# Altium PCB Yun75.PcbDoc (part 2 of 3) (continued)
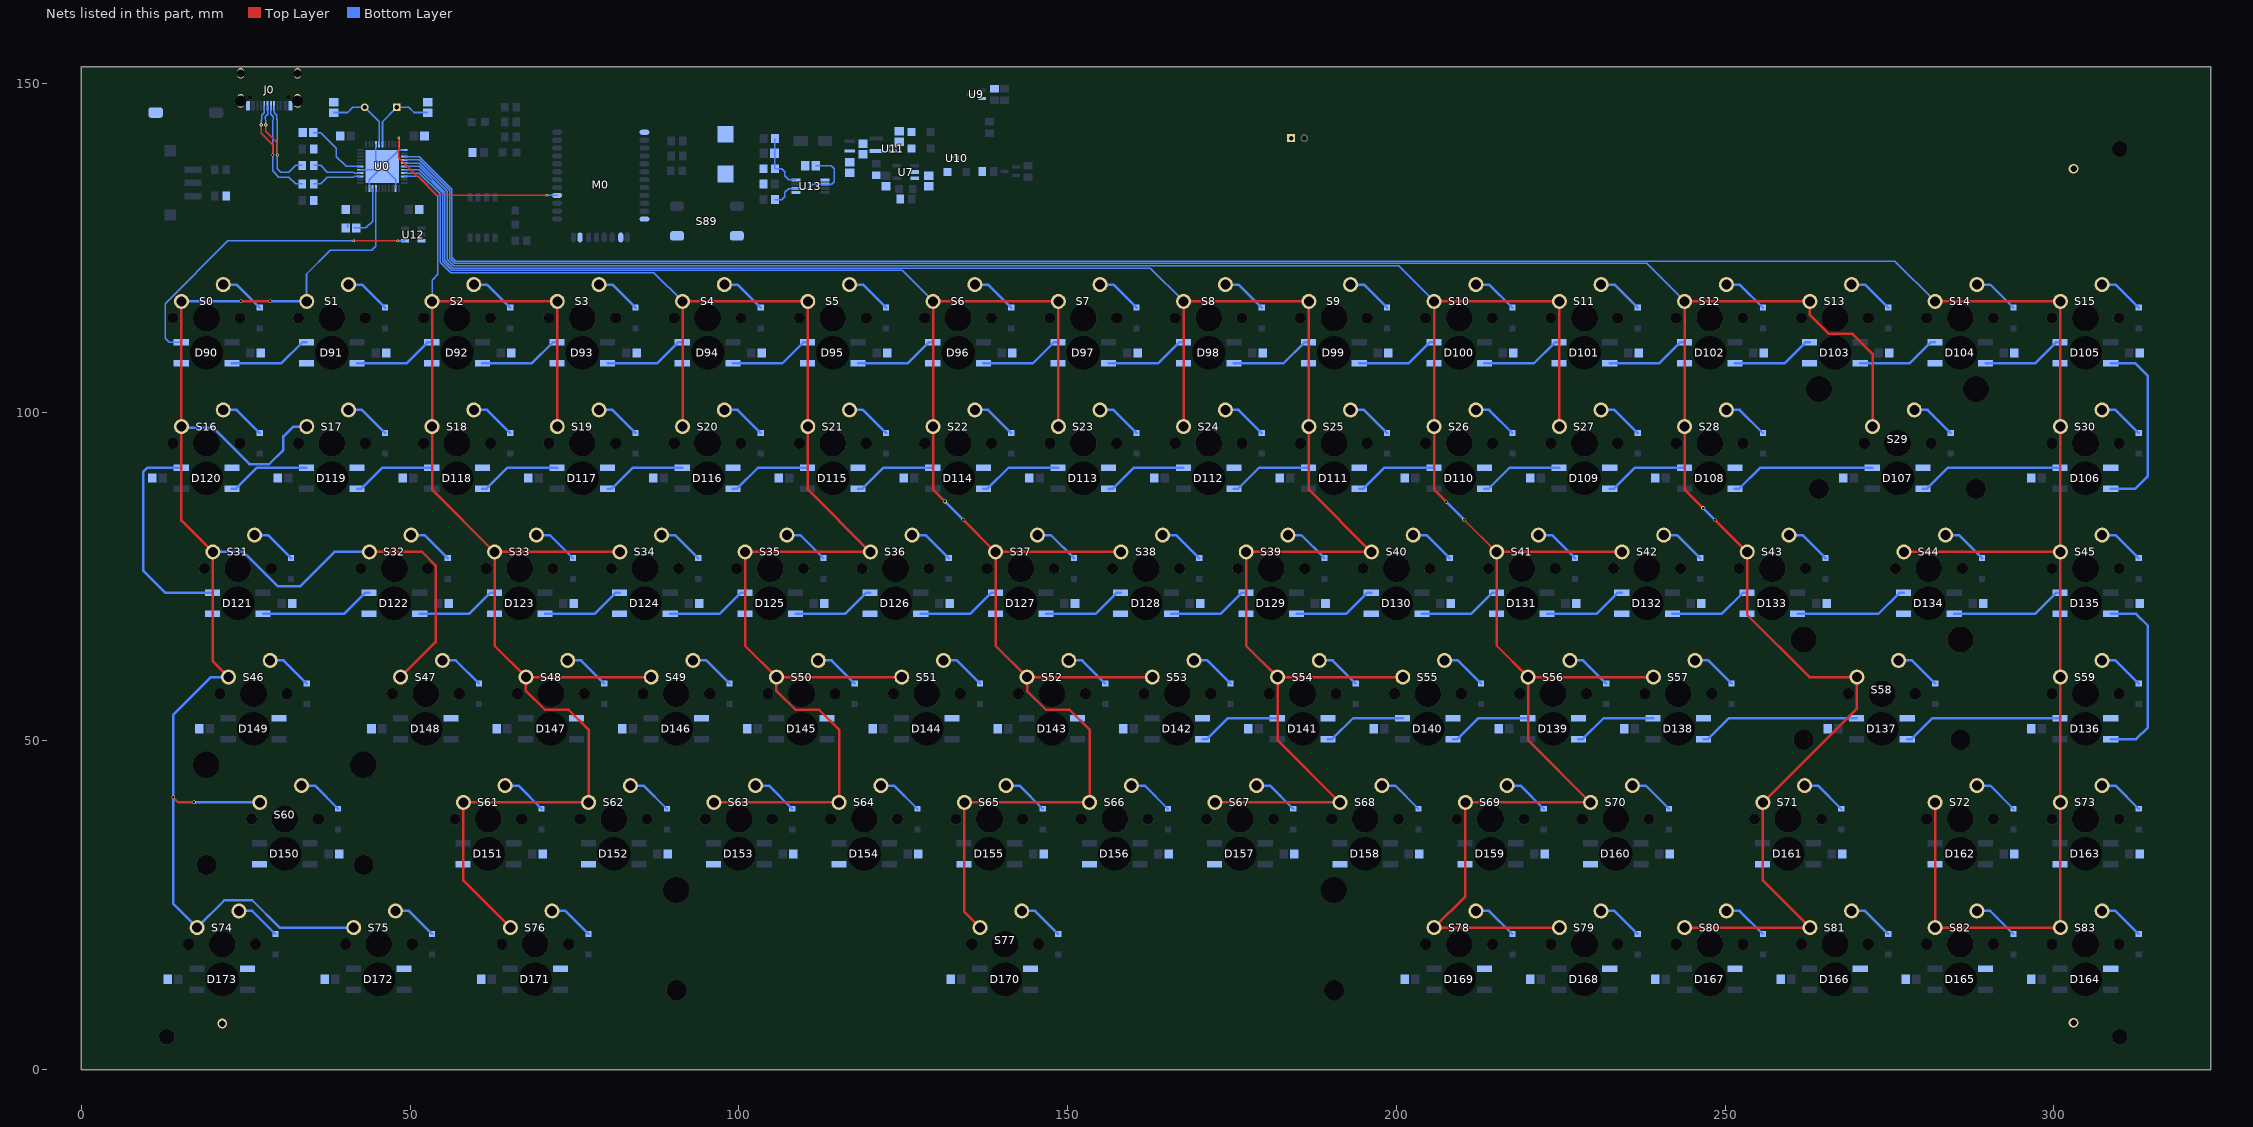
[diagram p2: the nets of this part, all layers, seen from the top]
## Part data (continued)
S0 S1 S2 S3 S4 S5 S6 S7 S8 S9 S10 S11 S12 S13 S14 S15 S16 S17 S18 S19 S20 S21 S22 S23 S24 S25 S26 S27 S28 S29 S30 S31 S32 S33 S34 S35 S36 S37 S38 S39 S40 S41 S42 S43 S44 S45 S46 S47 S48 S49 S50 S51 S52 S53 S54 S55 S56 S57 S58 S59 S60 S61 S62 S63 S64 S65 S66 S67 S68 S69 S70 S71 S72 S73 S74 S75 S76 S77 S78 S79 S80 S81 S82 S83: library part Cherry_Switch, "Cherry SPST Keyswitch"
S84: "SWITCH SLIDE SPDT 0.4VA 28V", Manufacturer="NKK Switches", Operating Force=-, Operating Temperature="-25C ~ 85C", Supplier Part Number 1=360-2924-2-ND, Actuator Type=Standard, Circuit=SPDT, ComponentLink1Description=Datasheet, ComponentLink1URL=http://2t70un3m1d9z1kztamkdrd38.wpengine.netdna-cdn.com/wp-content/uploads/2016/02/SS3surfaceMount.pdf, ComponentLink2Description="Digi-Key Listing", ComponentLink2URL=http://www.digikey.com/product-detail/en/nkk-switches/SS312SAH4-R/360-2924-2-ND/2810472, Mechanical Life="10,000 Cycles", PartId=16471, Part Number=SS312SAH4-R, Price=1.953, Series=SS3, Supplier 1=Digi-Key, Switch Function=On-On, Switch Travel=2.00mm, Type="Slide Switches"
S87: "SWITCH SLIDE DIP SPST 25MA 24V", Digikey Part Number=SW1080-ND, Manufacturer=Omron, Mouser Part Number=653-A6H-4101, Package=SW_SMT_6MM31X4MM5, Part Number=A6H-4101, Temperature="-20°C to + 70°C", Temperature Range High="+ 70°C", Temperature Range Low=-20°C, Voltage=24V, ComponentLink1Description=Upverter, ComponentLink1URL=https://upverter.com/upn/revision/68e2bcf7944de008/, ComponentLink2Description=Datasheet, ComponentLink2URL=http://www.omron.com/ecb/products/pdf/en-a6h.pdf, Digikey Description="SWITCH SLIDE DIP SPST 25MA 24V", helpURL=https://upverter.com/upn/revision/68e2bcf7944de008/, Lead Free=yes, Price=1.9029468224, RoHS=TRUE, Supplier 1=Digi-Key, Supplier 2=Mouser, Supplier Part Number 1=SW1080-ND, Supplier Part Number 2=653-A6H-4101
S88: "SWITCH TACTILE SPST-NO 0.05A 24V", Contact Rating @ Voltage="0.05A @ 24VDC", Illumination Type, Colour=-, Manufacturer="TE Connectivity Alcoswitch Switches", Operating Force=180gf, Operating Temperature="-35C ~ 85C", Supplier Part Number 1=450-1758-2-ND, Actuator Orientation="Top Actuated", Actuator Type=Standard, Circuit=SPST-NO, ComponentLink1Description=Datasheet, ComponentLink1URL=http://www.te.com/commerce/DocumentDelivery/DDEController?Action=srchrtrv&DocNm=1437566-3&DocType=Customer+Drawing&DocLang=English, ComponentLink2Description="Digi-Key Listing", ComponentLink2URL=http://www.digikey.com/product-detail/en/FSMSMTR/450-1758-2-ND/529671, Illumination=Non-Illuminated, Illumination Voltage=-, Mechanical Life="20,000 Cycles", PartId=8251, Part Number=FSMSMTR, Price=0.175, Supplier 1=Digi-Key, Switch Function=Off-Mom, Switch Travel=0.25mm
S89: "SWITCH TACTILE SPST-NO 0.05A 24V", Contact Rating @ Voltage="0.05A @ 24VDC", Illumination Type, Colour=-, Manufacturer="TE Connectivity Alcoswitch Switches", Operating Force=160gf, Operating Temperature="-35C ~ 85C", Supplier Part Number 1=450-1759-2-ND, Actuator Orientation="Top Actuated", Actuator Type=Standard, Circuit=SPST-NO, ComponentLink1Description=Datasheet, ComponentLink1URL=http://www.te.com/commerce/DocumentDelivery/DDEController?Action=srchrtrv&DocNm=2-1437565-7&DocType=Customer+Drawing&DocLang=English, ComponentLink2Description="Digi-Key Listing", ComponentLink2URL=http://www.digikey.com/product-detail/en/FSM4JSMATR/450-1759-2-ND/529675, Illumination=Non-Illuminated, Illumination Voltage=-, Mechanical Life="100,000 Cycles", PartId=8249, Part Number=FSM4JSMATR, Price=0.128, Supplier 1=Digi-Key, Switch Function=Off-Mom, Switch Travel=0.25mm
U0: "ATmega Series 32 KB Flash 2.5 KB SRAM 16 MHz 8-Bit Microcontroller - MLF/QFN-44", Package="QFN-44 Microchip", Availability=Unavailable, MF=Microchip, MP=ATMEGA32U4-MUR, Price=None, SnapEDA_Link=https://www.snapeda.com/parts/ATMEGA32U4-MUR/Microchip/view-part/?ref=snap
U7: "Sot23 Simple Low-Cost Integrated Li-Ion/Li-Poly Charge Mgnt Controller, 4.2v Vre", Package="SOT-23 Microchip", Availability=Unavailable, MF=Microchip, MP=MCP73812T-420I/OT, Price=None, SnapEDA_Link=https://www.snapeda.com/parts/MCP73812T-420I/OT/Microchip/view-part/?ref=snap
U8 U9: "Imported", C="Copyright (C) 2015 Accelerated Designs. All rights reserved", Copyright="Copyright (C) 2016 Accelerated Designs. All rights reserved", Manufacturer_Part_Number=BC847BW, RefDes=RefDes, Type=DEV, Vendor=Nexperia
U10: "Ultra low quiescent current load switch"
U11: "Buck Step Down Regulator with 2.05 to 6 V Input and 3.3 V Output, -40 to 85 degC, 6-Pin SON (DRY), Green (RoHS & no Sb/Br)", Manufacturer="Texas Instruments", Rating=Catalog, Switch Current Limit(Typ)(A)=0.84, ComponentLink1Description=Datasheet, ComponentLink1URL=http://www.ti.com/general/docs/lit/getliterature.tsp?genericPartNumber=TPS62237&fileType=pdf, ComponentLink2Description="Package Specification", ComponentLink2URL=http://www.ti.com/litv/pdf/mpds221e, ComponentLink3Description="URL Link1", ComponentLink3URL="Samples URL:http://www.ti.com/product/tps62237#samples", DatasheetVersion=SLVS941E, Duty Cycle(Max)(%)=100, Eco-Plan="Green (RoHS & no Sb/Br)", Iout(Max)(A)=0.5, Iq(Typ)(mA)=0.022, Mounting Technology="Surface Mount", PackageDescription="6-Pin Plastic Small Outline No-Lead, 1 x 1.45 x 0.6 mm Body, 0.5 mm Pitch", PackageReference=DRY6, PackageVersion="revF, Dec-2011", PartNumber=TPS62237DRYT, Preset Vout(V)=3.3, Regulated Outputs(#)=1, SubFamily="Step-Down Regulator", Synchronous Rectification=TRUE, Topology=Buck, Vin(Max)(V)=6, Vin(Min)(V)=2.05, Vout(Max)(V)=3.3, Vout(Min)(V)=3.3
U12: "Single Power Supply BUFFER Logic Level Shifter _no enable_ 5-SOT-23 -40 to 125", Package="SOT-23 Texas Instruments", Availability=Unavailable, MF="Texas Instruments", MP=SN74LV1T34DBVR, Price=None, SnapEDA_Link=https://www.snapeda.com/parts/SN74LV1T34DBVR/Texas%20Instruments/view-part/?ref=snap
U13: "Conv DC-DC Single Step Up 1.2V to 14V 8-Pin MSOP T/R", Package="MSOP-8 Texas Instruments", MF="Texas Instruments", MP=LM2621MM/NOPB, SnapEDA_Link=https://www.snapeda.com/parts/LM2621MM/NOPB/Texas%2520Instruments/view-part/?ref=snap
Y0: "CRYS 16MHz ±20ppm Crystal 18pF 40 Ohm -20°C ~ 70°C Through Hole HC49/US", Digikey Part Number=535-9041-ND, Frequency=16MHz, Frequency Stability=±50ppm, Frequency Tolerance=±20ppm, Load Capacitance=18pF, Manufacturer=Abracon, Mouser Part Number=815-ABL-16-B2, Operating Mode=Fundamental, Package=HC/49US, Part Number=ABL-16.000MHZ-B2, Temperature="0ºC to +70ºC", Temperature Range High=+70ºC, Temperature Range Low=0ºC, ComponentLink1Description=Upverter, ComponentLink1URL=https://upverter.com/upn/revision/7ebf07e1da2eb130/, ComponentLink2Description=Datasheet, ComponentLink2URL=http://www.abracon.com/Resonators/ABL.pdf, Digikey Description="CRYS 16MHz ±20ppm Crystal 18pF 40 Ohm -20°C ~ 70°C Through Hole HC49/US", ESR="40 Ohm", helpURL=https://upverter.com/upn/revision/7ebf07e1da2eb130/, Lead Free=yes, Price=0.175999999027, RoHS=TRUE, Supplier 1=Digi-Key, Supplier 2=Mouser, Supplier Part Number 1=535-9041-ND, Supplier Part Number 2=815-ABL-16-B2

## Free pads (board coordinates)
  round 2.4 hole 2.4 unplated paste+0 mask+0: Mounting2(310,140) Mounting3(310,5) Mounting4(13,5)

## Via types
v1: diameter 0.45, hole 0.3, Top Layer to Bottom Layer, 30 vias
v2: diameter 0.4, hole 0.25, Top Layer to Bottom Layer, 24 vias
v3: diameter 0.508, hole 0.254, Top Layer to Bottom Layer, 10 vias
v4: diameter 0.559, hole 0.381, Top Layer to Bottom Layer, 10 vias
v5: diameter 0.4, hole 0.275, Top Layer to Bottom Layer, 10 vias
v6: diameter 1.5, hole 1, Top Layer to Bottom Layer, 3 vias

## Nets (pads, with @x,y where several pads share a name; then routed paths per layer and width w, separated by ;. In a path a pad name is that pad's centre, name@x,y a point inside that pad or via, vN(x,y) a via of type N, cw(c..) or ccw(c..) an arc to the next point about the centre after c; other vN are vias at no path point)
Boost_In: C110.2 C111.2 L0.2 L1.2 U11.6
Col0: S0.0 S1.0 S16.0 S17.0 S31.0 S32.0 S46.0 S47.0 S60.0 S74.0 S75.0 U0.41 | length 273.1
  Top Layer w0.381: v4(13.97,41.42) 14.75,40.64 v4(17.14,40.64) ; S0.0@15.24,116.84 S16.0@15.24,97.79 15.24,83.502 S31.0@20.002,78.74 20.002,62.071 S46.0@22.384,59.69 ; v4(24.25,116.84) v4(28.734,116.84) ; S32.0@43.815,78.74 51.85,78.74 53.896,76.693 53.896,65.008 S47.0@48.578,59.69
  Bottom Layer w0.254: S1.0@34.29,116.84 34.25,116.88 34.25,121 37.85,124.6 44.2,124.6 44.8,125.2 U0.41@44.8,134
  Bottom Layer w0.381: S16.0@15.24,97.79 15.408,97.622 20.033,97.622 25.574,92.081 28.581,92.081 30.75,94.25 30.75,96.29 32.25,97.79 S17.0@34.29,97.79 ; S0.0@15.24,116.84 v4(24.25,116.84) ; v4(17.14,40.64) S60.0@27.146,40.64 ; S31.0@20.002,78.74 24.668,78.74 29.908,73.5 33.25,73.5 38.49,78.74 S32.0@43.815,78.74 ; S46.0@22.384,59.69 19.74,59.69 13.97,53.92 v4(13.97,41.42) 13.97,25.241 S74.0@17.621,21.59 21.781,25.75 25.997,25.75 30.157,21.59 S75.0@41.433,21.59 ; v4(28.734,116.84) S1.0@34.29,116.84
Col1: S2.0 S3.0 S18.0 S19.0 S33.0 S34.0 S48.0 S49.0 S61.0 S62.0 S76.0 U0.31 | length 228.2
  Top Layer w0.381: S76.0@65.247,21.59 58.102,28.734 S61.0@58.102,40.64 S62.0@77.152,40.64 77.152,51.693 74.117,54.728 70.505,54.728 67.628,57.605 S48.0@67.628,59.69 ; S19.0@72.39,97.79 S3.0@72.39,116.84 S2.0@53.34,116.84 S18.0@53.34,97.79 53.34,88.203 62.803,78.74 S33.0@62.865,78.74 ; S34.0@81.915,78.74 S33.0@62.865,78.74 ; S49.0@86.678,59.69 S48.0@67.628,59.69 ; S33.0@62.865,78.74 62.865,64.453 S48.0@67.628,59.69
  Bottom Layer w0.203: U0.31@49.15,135.85 51.225,135.85 54.25,132.825 54.25,120.95 53.34,120.04 S2.0@53.34,116.84
Col2: S4.0 S5.0 S20.0 S21.0 S35.0 S36.0 S50.0 S51.0 S63.0 S64.0 U0.30 | length 239.9
  Top Layer w0.381: S20.0@91.44,97.79 S4.0@91.44,116.84 S5.0@110.49,116.84 S21.0@110.49,97.79 110.49,88.203 S36.0@119.953,78.74 ; S63.0@96.202,40.64 S64.0@115.252,40.64 115.252,51.693 112.217,54.728 108.605,54.728 105.728,57.605 S50.0@105.728,59.69 ; S36.0@120.015,78.74 S36.0@119.953,78.74 ; S51.0@124.778,59.69 S50.0@105.728,59.69 ; S50.0@105.728,59.69 100.965,64.453 S35.0@100.965,78.74 S36.0@119.953,78.74
  Bottom Layer w0.203: U0.30@49.15,136.35 51.425,136.35 54.603,133.172 54.603,122.799 56.215,121.187 87.093,121.187 S4.0@91.44,116.84
Col3: S6.0 S7.0 S22.0 S23.0 S37.0 S38.0 S52.0 S53.0 S65.0 S66.0 S77.0 U0.29 | length 298.3
  Top Layer w0.381: v4(131.343,86.4) 129.54,88.203 S22.0@129.54,97.79 S6.0@129.54,116.84 S7.0@148.59,116.84 S23.0@148.59,97.79 ; v4(134.143,83.6) 139.003,78.74 S37.0@139.065,78.74 ; S77.0@136.683,21.59 134.302,23.972 S65.0@134.302,40.64 S66.0@153.352,40.64 153.352,51.693 150.317,54.728 146.705,54.728 143.828,57.605 S52.0@143.828,59.69 ; S38.0@158.115,78.74 S37.0@139.065,78.74 ; S53.0@162.878,59.69 S52.0@143.828,59.69 ; S37.0@139.065,78.74 139.065,64.453 S52.0@143.828,59.69
  Bottom Layer w0.203: U0.29@49.15,136.85 51.424,136.85 54.956,133.318 54.956,122.945 56.361,121.54 124.84,121.54 S6.0@129.54,116.84
  Bottom Layer w0.381: v4(131.343,86.4) v4(134.143,83.6)
Col4: S8.0 S9.0 S24.0 S25.0 S39.0 S40.0 S54.0 S55.0 S67.0 S68.0 U0.28 | length 314.3
  Top Layer w0.381: S24.0@167.64,97.79 S8.0@167.64,116.84 S9.0@186.69,116.84 S25.0@186.69,97.79 186.69,88.203 S40.0@196.153,78.74 ; S67.0@172.402,40.64 S68.0@191.391,40.64 ; S68.0@191.452,40.64 S68.0@191.391,40.64 ; S40.0@196.215,78.74 S40.0@196.153,78.74 ; S55.0@200.978,59.69 S54.0@181.928,59.69 ; S54.0@181.928,59.69 177.165,64.453 S39.0@177.165,78.74 S40.0@196.153,78.74 ; S54.0@181.928,59.69 181.928,50.103 S68.0@191.391,40.64
  Bottom Layer w0.203: U0.28@49.15,137.35 51.424,137.35 55.31,133.464 55.31,123.091 56.507,121.894 162.586,121.894 S8.0@167.64,116.84
Col5: S10.0 S11.0 S26.0 S27.0 S41.0 S42.0 S56.0 S57.0 S69.0 S70.0 S78.0 S79.0 U0.27 | length 392.8
  Top Layer w0.254: v4(210.3,83.644) 215.204,78.74 S41.0@215.265,78.74
  Top Layer w0.381: v4(207.6,86.344) 205.74,88.204 S26.0@205.74,97.79 S10.0@205.74,116.84 S11.0@224.79,116.84 S27.0@224.79,97.79 ; S79.0@224.79,21.59 S78.0@205.74,21.59 210.502,26.352 S69.0@210.502,40.64 S70.0@229.491,40.64 ; S70.0@229.552,40.64 S70.0@229.491,40.64 ; S42.0@234.315,78.74 S41.0@215.265,78.74 215.265,64.453 S56.0@220.028,59.69 ; S57.0@239.078,59.69 S56.0@220.028,59.69 ; S56.0@220.028,59.69 220.028,50.103 S70.0@229.491,40.64
  Bottom Layer w0.203: U0.27@49.15,137.85 51.423,137.85 55.663,133.611 55.663,123.238 56.654,122.247 200.333,122.247 S10.0@205.74,116.84
  Bottom Layer w0.381: v4(207.6,86.344) v4(210.3,83.644)
Col6: S12.0 S13.0 S28.0 S29.0 S43.0 S58.0 S71.0 S80.0 S81.0 U0.26 | length 392.1
  Top Layer w0.254: S43.0@253.303,78.74 S43.0@253.365,78.74
  Top Layer w0.381: S80.0@243.84,21.59 S81.0@262.89,21.59 255.746,28.734 S71.0@255.746,40.64 270.034,54.929 S58.0@270.034,59.69 262.828,59.69 253.365,69.153 S43.0@253.365,78.74 ; v4(246.643,85.4) 243.84,88.203 S28.0@243.84,97.79 S12.0@243.84,116.84 S13.0@262.89,116.84 262.89,114.755 265.767,111.878 269.379,111.878 272.415,108.842 S29.0@272.415,97.79 ; v4(248.443,83.6) S43.0@253.303,78.74
  Bottom Layer w0.203: U0.26@49.15,138.35 51.423,138.35 56.016,133.757 56.016,123.384 56.8,122.6 238.08,122.6 S12.0@243.84,116.84
  Bottom Layer w0.381: v4(246.643,85.4) v4(248.443,83.6)
Col7: S14.0 S15.0 S30.0 S44.0 S45.0 S59.0 S72.0 S73.0 S82.0 S83.0 U0.25 | length 424.2
  Top Layer w0.381: S44.0@277.178,78.74 S45.0@300.99,78.74 ; S72.0@281.94,40.64 S82.0@281.94,21.59 S83.0@300.99,21.59 S73.0@300.99,40.64 S59.0@300.99,59.69 S45.0@300.99,78.74 ; S14.0@281.94,116.84 S15.0@300.99,116.84 S30.0@300.99,97.79 S45.0@300.99,78.74
  Bottom Layer w0.203: U0.25@49.15,138.85 51.422,138.85 56.369,133.903 56.369,123.53 56.946,122.953 275.827,122.953 S14.0@281.94,116.84
CTS: M0.16 U0.22 | length 30.5
  Top Layer w0.203: v2(48.3,141.725) 48.3,138.686 54.036,132.95 v2(70.8,132.95)
  Bottom Layer w0.203: U0.22@48.3,140.7 v2(48.3,141.725) ; v2(70.8,132.95) M0.16@72.35,132.95
D_N: J0.4 J0.6 R3.1 | length 23.9
  Top Layer w0.203: v3(27.348,143.7) 27.348,142.405 29.091,140.663 v3(29.091,139.1)
  Bottom Layer w0.203: v3(27.348,143.7) 27.348,144.361 27.454,144.467 27.454,145.154 27.825,145.525 J0.4@27.825,146.6 ; J0.6@28.825,146.6 28.825,145.318 29.196,144.946 29.196,144.5 29.091,144.394 v3(29.091,139.1) 29.091,136.684 30.03,135.744 31.556,135.744 32.6,134.7 R3.1@33.625,134.7
D_P: J0.5 J0.7 R2.1 | length 22.7
  Top Layer w0.203: v3(28.059,143.7) 28.059,142.7 29.802,140.957 v3(29.802,139.1)
  Bottom Layer w0.203: v3(28.059,143.7) 28.059,144.395 27.954,144.5 27.954,144.946 28.325,145.318 J0.5@28.325,146.6 ; J0.7@29.325,146.6 29.325,145.525 29.696,145.154 29.696,144.467 29.802,144.361 v3(29.802,139.1) 29.802,136.979 30.325,136.455 31.555,136.455 32.6,137.5 R2.1@33.625,137.5
GND: C0.1 C1.1 C2.1 C3.1 C4.1 C5.1 C6.1 C7.1 C17.1 C18.1 C19.1 C20.1 C21.1 C22.1 C23.1 C24.1 C25.1 C26.1 C27.1 C28.1 C29.1 C30.1 C31.1 C32.1 C33.1 C34.1 C35.1 C36.1 C37.1 C38.1 C39.1 C40.1 C41.1 C42.1 C43.1 C44.1 C45.1 C46.1 C47.1 C48.1 C49.1 C50.1 C51.1 C52.1 C53.1 C54.1 C55.1 C56.1 C57.1 C58.1 C59.1 C60.1 C61.1 C62.1 C63.1 C64.1 C65.1 C66.1 C67.1 C68.1 C69.1 C70.1 C71.1 C72.1 C73.1 C74.1 C75.1 C76.1 C77.1 C78.1 C79.1 C80.1 C81.1 C82.1 C83.1 C84.1 C85.1 C86.1 C87.1 C88.1 C89.1 C90.1 C91.1 C92.1 C93.1 C94.1 C95.1 C96.1 C97.1 C98.1 C99.1 C100.1 C107.1 C108.1 C110.1 C111.1 C112.1 C113.2 D90.3 D91.3 D92.3 D93.3 D94.3 D95.3 D96.3 D97.3 D98.3 D99.3 D100.3 D101.3 D102.3 D103.3 D104.3 D105.3 D106.3 D107.3 D108.3 D109.3 D110.3 D111.3 D112.3 D113.3 D114.3 D115.3 D116.3 D117.3 D118.3 D119.3 D120.3 D121.3 D122.3 D123.3 D124.3 D125.3 D126.3 D127.3 D128.3 D129.3 D130.3 D131.3 D132.3 D133.3 D134.3 D135.3 D136.3 D137.3 D138.3 D139.3 D140.3 D141.3 D142.3 D143.3 D144.3 D145.3 D146.3 D147.3 D148.3 D149.3 D150.3 D151.3 D152.3 D153.3 D154.3 D155.3 D156.3 D157.3 D158.3 D159.3 D160.3 D161.3 D162.3 D163.3 D164.3 D165.3 D166.3 D167.3 D168.3 D169.3 D170.3 D171.3 D172.3 D173.3 J0.0 J0.11 J0.12 J1.1 M0.1 M0.12 M0.28 M0.29 R0.1 R4.1 R5.1 R19.1 R22.1 R24.1 R25.1 R26.1 R35.1 S88.1 S89.1 S89.2 U0.5 U0.15 U0.23 U0.35 U0.43 U0.TAB U7.2 U9.2 U10.2 U10.5 U11.4 U12.3 U13.1 U13.5 | length 19.9
  Bottom Layer w0.203: C5.1@40.56,128 C5.1@40.56,128.591 ; U0.5@42.45,136.85 U0.TAB@45.3,136.85 ; U0.43@43.8,134 43.8,135.35 U0.TAB@45.3,136.85 ; U0.15@44.8,140.7 44.8,138.35 U0.TAB@45.8,137.35 ; U0.35@47.8,134 47.8,135.35 U0.TAB@45.8,137.35 ; U0.23@49.15,139.85 48.3,139.85 U0.TAB@45.8,137.35 ; U0.TAB@45.3,136.85 U0.TAB@45.8,137.35
  other v6: 21.431,7 303,7.127 303,137
MCUD_N: R3.2 U0.3 | length 7.6
  Bottom Layer w0.203: R3.2@35.375,134.7 36.4,134.7 37.444,135.745 41.444,135.745 41.55,135.85 ; 41.55,135.85 U0.3@42.45,135.85
MCUD_P: R2.2 U0.4 | length 7.6
  Bottom Layer w0.203: R2.2@35.375,137.5 36.4,137.5 37.444,136.456 41.444,136.456 41.55,136.35 ; 41.55,136.35 U0.4@42.45,136.35
NetC0_2: C0.2 U0.6 | length 10
  Bottom Layer w0.203: C0.2@35.3,142.5 36.424,142.5 38.8,140.124 38.8,138.85 40.3,137.35 U0.6@42.45,137.35
NetC5_2: C5.2 U0.42 | length 8.3
  Bottom Layer w0.203: C5.2@41.44,128 C5.2@41.8,128 43.3,128 44.3,129 U0.42@44.3,134
NetC6_2: C6.2 U0.17 Y0.1 | length 11.6
  Bottom Layer w0.254: U0.17@45.8,140.7 45.8,144.16 Y0.1@47.99,146.35 49.795,146.35 50.595,145.55 C6.2@52.7,145.55
NetC7_2: C7.2 U0.16 Y0.2 | length 11.6
  Bottom Layer w0.203: Y0.2@43.11,146.35 45.3,144.16 U0.16@45.3,140.7
  Bottom Layer w0.254: C7.2@38.4,145.55 40.505,145.55 41.305,146.35 Y0.2@43.11,146.35
NetC108_2: C108.2 D182.1 U7.3
NetC109_1: C109.1 U11.1
NetC109_2: C109.2 D183.2 D184.2 U11.3 U11.5
NetC112_2: C112.2 C113.1 R32.1 R33.1 U13.2 U13.6 | length 15.5
  Bottom Layer w0.203: R33.1@105.5,132.305 106.555,132.305 107,132.75 107,133.395 107.6,133.995 U13.2@108.69,133.995 110.57,133.995 111.23,134.655 U13.6@113.11,134.655 114.155,134.655 114.5,135 114.5,137.005 114.06,137.445 C112.2@111.7,137.445
NetC114_1: C114.1 R34.1 R35.2 U13.4 | length 8.9
  Bottom Layer w0.203: R34.1@105.5,141.59 105.5,139.43 C114.1@105.425,139.355 105.5,139.28 R35.2@105.5,137.005 106.555,137.005 107,136.56 107,135.916 107.6,135.316 108.665,135.316 U13.4@108.69,135.29
NetD0_1: D0.1 S0.1 | length 7
  Bottom Layer w0.381: S0.1@21.59,119.38 23.616,119.38 27.121,115.875 D0.1@27.146,115.875
NetD1_1: D1.1 S1.1 | length 7
  Bottom Layer w0.381: S1.1@40.64,119.38 42.666,119.38 46.171,115.875 D1.1@46.196,115.875
NetD2_1: D2.1 S2.1 | length 7
  Bottom Layer w0.381: S2.1@59.69,119.38 61.716,119.38 65.221,115.875 D2.1@65.246,115.875
NetD3_1: D3.1 S3.1 | length 7
  Bottom Layer w0.381: S3.1@78.74,119.38 80.766,119.38 84.271,115.875 D3.1@84.296,115.875
NetD4_1: D4.1 S4.1 | length 7
  Bottom Layer w0.381: S4.1@97.79,119.38 99.816,119.38 103.321,115.875 D4.1@103.346,115.875
NetD5_1: D5.1 S5.1 | length 7
  Bottom Layer w0.381: S5.1@116.84,119.38 118.866,119.38 122.371,115.875 D5.1@122.396,115.875
NetD6_1: D6.1 S6.1 | length 7
  Bottom Layer w0.381: S6.1@135.89,119.38 137.916,119.38 141.421,115.875 D6.1@141.446,115.875
NetD7_1: D7.1 S7.1 | length 7
  Bottom Layer w0.381: S7.1@154.94,119.38 156.966,119.38 160.471,115.875 D7.1@160.496,115.875
NetD8_1: D8.1 S8.1 | length 7
  Bottom Layer w0.381: S8.1@173.99,119.38 176.016,119.38 179.521,115.875 D8.1@179.546,115.875
NetD9_1: D9.1 S9.1 | length 7
  Bottom Layer w0.381: S9.1@193.04,119.38 195.066,119.38 198.571,115.875 D9.1@198.596,115.875
NetD10_1: D10.1 S10.1 | length 7
  Bottom Layer w0.381: S10.1@212.09,119.38 214.116,119.38 217.621,115.875 D10.1@217.646,115.875
NetD11_1: D11.1 S11.1 | length 7
  Bottom Layer w0.381: S11.1@231.14,119.38 233.166,119.38 236.671,115.875 D11.1@236.696,115.875
NetD12_1: D12.1 S12.1 | length 7
  Bottom Layer w0.381: S12.1@250.19,119.38 252.216,119.38 255.721,115.875 D12.1@255.746,115.875
NetD13_1: D13.1 S13.1 | length 7
  Bottom Layer w0.381: S13.1@269.24,119.38 271.266,119.38 274.771,115.875 D13.1@274.796,115.875
NetD14_1: D14.1 S14.1 | length 7
  Bottom Layer w0.381: S14.1@288.29,119.38 290.316,119.38 293.821,115.875 D14.1@293.846,115.875
NetD15_1: D15.1 S15.1 | length 7
  Bottom Layer w0.381: S15.1@307.34,119.38 309.366,119.38 312.871,115.875 D15.1@312.896,115.875
NetD16_1: D16.1 S16.1 | length 7
  Bottom Layer w0.381: S16.1@21.59,100.33 23.616,100.33 27.121,96.825 D16.1@27.146,96.825
NetD17_1: D17.1 S17.1 | length 7
  Bottom Layer w0.381: S17.1@40.64,100.33 42.666,100.33 46.171,96.825 D17.1@46.196,96.825
NetD18_1: D18.1 S18.1 | length 7
  Bottom Layer w0.381: S18.1@59.69,100.33 61.716,100.33 65.221,96.825 D18.1@65.246,96.825
NetD19_1: D19.1 S19.1 | length 7
  Bottom Layer w0.381: S19.1@78.74,100.33 80.766,100.33 84.271,96.825 D19.1@84.296,96.825
NetD20_1: D20.1 S20.1 | length 7
  Bottom Layer w0.381: S20.1@97.79,100.33 99.816,100.33 103.321,96.825 D20.1@103.346,96.825
NetD21_1: D21.1 S21.1 | length 7
  Bottom Layer w0.381: S21.1@116.84,100.33 118.866,100.33 122.371,96.825 D21.1@122.396,96.825
NetD22_1: D22.1 S22.1 | length 7
  Bottom Layer w0.381: S22.1@135.89,100.33 137.916,100.33 141.421,96.825 D22.1@141.446,96.825
NetD23_1: D23.1 S23.1 | length 7
  Bottom Layer w0.381: S23.1@154.94,100.33 156.966,100.33 160.471,96.825 D23.1@160.496,96.825
NetD24_1: D24.1 S24.1 | length 7
  Bottom Layer w0.381: S24.1@173.99,100.33 176.016,100.33 179.521,96.825 D24.1@179.546,96.825
NetD25_1: D25.1 S25.1 | length 7
  Bottom Layer w0.381: S25.1@193.04,100.33 195.066,100.33 198.571,96.825 D25.1@198.596,96.825
NetD26_1: D26.1 S26.1 | length 7
  Bottom Layer w0.381: S26.1@212.09,100.33 214.116,100.33 217.621,96.825 D26.1@217.646,96.825
NetD27_1: D27.1 S27.1 | length 7
  Bottom Layer w0.381: S27.1@231.14,100.33 233.166,100.33 236.671,96.825 D27.1@236.696,96.825
NetD28_1: D28.1 S28.1 | length 7
  Bottom Layer w0.381: S28.1@250.19,100.33 252.216,100.33 255.721,96.825 D28.1@255.746,96.825
NetD29_1: D29.1 S29.1 | length 7
  Bottom Layer w0.381: S29.1@278.765,100.33 280.791,100.33 284.296,96.825 D29.1@284.321,96.825
NetD30_1: D30.1 S30.1 | length 7
  Bottom Layer w0.381: S30.1@307.34,100.33 309.366,100.33 312.871,96.825 D30.1@312.896,96.825
NetD31_1: D31.1 S31.1 | length 7
  Bottom Layer w0.381: S31.1@26.352,81.28 28.378,81.28 31.883,77.775 D31.1@31.908,77.775
NetD32_1: D32.1 S32.1 | length 7
  Bottom Layer w0.381: S32.1@50.165,81.28 52.191,81.28 55.696,77.775 D32.1@55.721,77.775
NetD33_1: D33.1 S33.1 | length 7
  Bottom Layer w0.381: S33.1@69.215,81.28 71.241,81.28 74.746,77.775 D33.1@74.771,77.775
NetD34_1: D34.1 S34.1 | length 7
  Bottom Layer w0.381: S34.1@88.265,81.28 90.291,81.28 93.796,77.775 D34.1@93.821,77.775
NetD35_1: D35.1 S35.1 | length 7
  Bottom Layer w0.381: S35.1@107.315,81.28 109.341,81.28 112.846,77.775 D35.1@112.871,77.775
NetD36_1: D36.1 S36.1 | length 7
  Bottom Layer w0.381: S36.1@126.365,81.28 128.391,81.28 131.896,77.775 D36.1@131.921,77.775
NetD37_1: D37.1 S37.1 | length 7
  Bottom Layer w0.381: S37.1@145.415,81.28 147.441,81.28 150.946,77.775 D37.1@150.971,77.775
NetD38_1: D38.1 S38.1 | length 7
  Bottom Layer w0.381: S38.1@164.465,81.28 166.491,81.28 169.996,77.775 D38.1@170.021,77.775
NetD39_1: D39.1 S39.1 | length 7
  Bottom Layer w0.381: S39.1@183.515,81.28 185.541,81.28 189.046,77.775 D39.1@189.071,77.775
NetD40_1: D40.1 S40.1 | length 7
  Bottom Layer w0.381: S40.1@202.565,81.28 204.591,81.28 208.096,77.775 D40.1@208.121,77.775
NetD41_1: D41.1 S41.1 | length 7
  Bottom Layer w0.381: S41.1@221.615,81.28 223.641,81.28 227.146,77.775 D41.1@227.171,77.775
NetD42_1: D42.1 S42.1 | length 7
  Bottom Layer w0.381: S42.1@240.665,81.28 242.691,81.28 246.196,77.775 D42.1@246.221,77.775
NetD43_1: D43.1 S43.1 | length 7
  Bottom Layer w0.381: S43.1@259.715,81.28 261.741,81.28 265.246,77.775 D43.1@265.271,77.775
NetD44_1: D44.1 S44.1 | length 7
  Bottom Layer w0.381: S44.1@283.527,81.28 285.554,81.28 289.059,77.775 D44.1@289.084,77.775
NetD45_1: D45.1 S45.1 | length 7
  Bottom Layer w0.381: S45.1@307.34,81.28 309.366,81.28 312.871,77.775 D45.1@312.896,77.775
NetD46_1: D46.1 S46.1 | length 7
  Bottom Layer w0.381: S46.1@28.734,62.23 30.76,62.23 34.265,58.725 D46.1@34.29,58.725
NetD47_1: D47.1 S47.1 | length 7
  Bottom Layer w0.381: S47.1@54.928,62.23 56.954,62.23 60.459,58.725 D47.1@60.484,58.725
NetD48_1: D48.1 S48.1 | length 7
  Bottom Layer w0.381: S48.1@73.978,62.23 76.004,62.23 79.509,58.725 D48.1@79.534,58.725
NetD49_1: D49.1 S49.1 | length 7
  Bottom Layer w0.381: S49.1@93.028,62.23 95.054,62.23 98.559,58.725 D49.1@98.584,58.725
NetD50_1: D50.1 S50.1 | length 7
  Bottom Layer w0.381: S50.1@112.078,62.23 114.104,62.23 117.609,58.725 D50.1@117.634,58.725
NetD51_1: D51.1 S51.1 | length 7
  Bottom Layer w0.381: S51.1@131.128,62.23 133.154,62.23 136.659,58.725 D51.1@136.684,58.725
NetD52_1: D52.1 S52.1 | length 7
  Bottom Layer w0.381: S52.1@150.178,62.23 152.204,62.23 155.709,58.725 D52.1@155.734,58.725
NetD53_1: D53.1 S53.1 | length 7
  Bottom Layer w0.381: S53.1@169.228,62.23 171.254,62.23 174.759,58.725 D53.1@174.784,58.725
NetD54_1: D54.1 S54.1 | length 7
  Bottom Layer w0.381: S54.1@188.278,62.23 190.304,62.23 193.809,58.725 D54.1@193.834,58.725
NetD55_1: D55.1 S55.1 | length 7
  Bottom Layer w0.381: S55.1@207.328,62.23 209.354,62.23 212.859,58.725 D55.1@212.884,58.725
NetD56_1: D56.1 S56.1 | length 7
  Bottom Layer w0.381: S56.1@226.378,62.23 228.404,62.23 231.909,58.725 D56.1@231.934,58.725
NetD57_1: D57.1 S57.1 | length 7
  Bottom Layer w0.381: S57.1@245.428,62.23 247.454,62.23 250.959,58.725 D57.1@250.984,58.725
NetD58_1: D58.1 S58.1 | length 7
  Bottom Layer w0.381: S58.1@276.384,62.23 278.41,62.23 281.915,58.725 D58.1@281.94,58.725
NetD59_1: D59.1 S59.1 | length 7
  Bottom Layer w0.381: S59.1@307.34,62.23 309.366,62.23 312.871,58.725 D59.1@312.896,58.725
NetD60_1: D60.1 S60.1 | length 7
  Bottom Layer w0.381: S60.1@33.496,43.18 35.522,43.18 39.027,39.675 D60.1@39.052,39.675
NetD61_1: D61.1 S61.1 | length 7
  Bottom Layer w0.381: S61.1@64.452,43.18 66.479,43.18 69.984,39.675 D61.1@70.009,39.675
NetD62_1: D62.1 S62.1 | length 7
  Bottom Layer w0.381: S62.1@83.502,43.18 85.529,43.18 89.034,39.675 D62.1@89.059,39.675
NetD63_1: D63.1 S63.1 | length 7
  Bottom Layer w0.381: S63.1@102.552,43.18 104.579,43.18 108.084,39.675 D63.1@108.109,39.675
NetD64_1: D64.1 S64.1 | length 7
  Bottom Layer w0.381: S64.1@121.602,43.18 123.629,43.18 127.134,39.675 D64.1@127.159,39.675
NetD65_1: D65.1 S65.1 | length 7
  Bottom Layer w0.381: S65.1@140.652,43.18 142.679,43.18 146.184,39.675 D65.1@146.209,39.675
NetD66_1: D66.1 S66.1 | length 7
  Bottom Layer w0.381: S66.1@159.702,43.18 161.729,43.18 165.234,39.675 D66.1@165.259,39.675
NetD67_1: D67.1 S67.1 | length 7
  Bottom Layer w0.381: S67.1@178.752,43.18 180.779,43.18 184.284,39.675 D67.1@184.309,39.675
NetD68_1: D68.1 S68.1 | length 7
  Bottom Layer w0.381: S68.1@197.802,43.18 199.829,43.18 203.334,39.675 D68.1@203.359,39.675
NetD69_1: D69.1 S69.1 | length 7
  Bottom Layer w0.381: S69.1@216.852,43.18 218.879,43.18 222.384,39.675 D69.1@222.409,39.675
NetD70_1: D70.1 S70.1 | length 7
  Bottom Layer w0.381: S70.1@235.902,43.18 237.929,43.18 241.434,39.675 D70.1@241.459,39.675
NetD71_1: D71.1 S71.1 | length 7
  Bottom Layer w0.381: S71.1@262.096,43.18 264.122,43.18 267.627,39.675 D71.1@267.652,39.675
NetD72_1: D72.1 S72.1 | length 7
  Bottom Layer w0.381: S72.1@288.29,43.18 290.317,43.18 293.822,39.675 D72.1@293.847,39.675
NetD73_1: D73.1 S73.1 | length 7
  Bottom Layer w0.381: S73.1@307.34,43.18 309.366,43.18 312.871,39.675 D73.1@312.896,39.675
NetD74_1: D74.1 S74.1 | length 7
  Bottom Layer w0.381: S74.1@23.971,24.13 25.997,24.13 29.502,20.625 D74.1@29.527,20.625
NetD75_1: D75.1 S75.1 | length 7
  Bottom Layer w0.381: S75.1@47.783,24.13 49.81,24.13 53.315,20.625 D75.1@53.34,20.625
NetD76_1: D76.1 S76.1 | length 7
  Bottom Layer w0.381: S76.1@71.597,24.13 73.622,24.13 77.127,20.625 D76.1@77.152,20.625
NetD77_1: D77.1 S77.1 | length 7
  Bottom Layer w0.381: S77.1@143.033,24.13 145.061,24.13 148.566,20.625 D77.1@148.591,20.625
NetD78_1: D78.1 S78.1 | length 7
  Bottom Layer w0.381: S78.1@212.09,24.13 214.117,24.13 217.622,20.625 D78.1@217.647,20.625
NetD79_1: D79.1 S79.1 | length 7
  Bottom Layer w0.381: S79.1@231.14,24.13 233.166,24.13 236.671,20.625 D79.1@236.696,20.625
NetD80_1: D80.1 S80.1 | length 7
  Bottom Layer w0.381: S80.1@250.19,24.13 252.217,24.13 255.722,20.625 D80.1@255.747,20.625
NetD81_1: D81.1 S81.1 | length 7
  Bottom Layer w0.381: S81.1@269.24,24.13 271.266,24.13 274.771,20.625 D81.1@274.796,20.625
NetD82_1: D82.1 S82.1 | length 7
  Bottom Layer w0.381: S82.1@288.29,24.13 290.316,24.13 293.821,20.625 D82.1@293.846,20.625
NetD83_1: D83.1 S83.1 | length 7
  Bottom Layer w0.381: S83.1@307.34,24.13 309.366,24.13 312.871,20.625 D83.1@312.896,20.625
NetD90_2: D90.2 D91.4 | length 12.7
  Bottom Layer w0.381: D90.2@22.9,107.4 30.4,107.4 33.6,110.6 D91.4@34.25,110.6
NetD90_4: D90.4 U12.4 | length 48.4
  Top Layer w0.203: v2(41.44,126.05) v2(48.103,126.05)
  Bottom Layer w0.203: D90.4@15.2,110.6 13.4,110.6 12.75,111.25 12.75,116.5 22.3,126.05 v2(41.44,126.05) ; v2(48.103,126.05) U12.4@49.245,126.05
NetD91_2: D91.2 D92.4 | length 12.7
  Bottom Layer w0.381: D91.2@41.95,107.4 49.45,107.4 52.65,110.6 D92.4@53.3,110.6
NetD92_2: D92.2 D93.4 | length 12.7
  Bottom Layer w0.381: D92.2@61,107.4 68.5,107.4 71.7,110.6 D93.4@72.35,110.6
NetD93_2: D93.2 D94.4 | length 12.7
  Bottom Layer w0.381: D93.2@80.05,107.4 87.55,107.4 90.75,110.6 D94.4@91.4,110.6
NetD94_2: D94.2 D95.4 | length 12.7
  Bottom Layer w0.381: D94.2@99.1,107.4 106.6,107.4 109.8,110.6 D95.4@110.45,110.6
NetD95_2: D95.2 D96.4 | length 12.7
  Bottom Layer w0.381: D95.2@118.15,107.4 125.65,107.4 128.85,110.6 D96.4@129.5,110.6
NetD96_2: D96.2 D97.4 | length 12.7
  Bottom Layer w0.381: D96.2@137.2,107.4 144.7,107.4 147.9,110.6 D97.4@148.55,110.6
NetD97_2: D97.2 D98.4 | length 12.7
  Bottom Layer w0.381: D97.2@156.25,107.4 163.75,107.4 166.95,110.6 D98.4@167.6,110.6
NetD98_2: D98.2 D99.4 | length 12.7
  Bottom Layer w0.381: D98.2@175.3,107.4 182.8,107.4 186,110.6 D99.4@186.65,110.6
NetD99_2: D99.2 D100.4 | length 12.7
  Bottom Layer w0.381: D99.2@194.35,107.4 201.85,107.4 205.05,110.6 D100.4@205.7,110.6
NetD100_2: D100.2 D101.4 | length 12.7
  Bottom Layer w0.381: D100.2@213.4,107.4 220.9,107.4 224.1,110.6 D101.4@224.75,110.6
NetD101_2: D101.2 D102.4 | length 12.7
  Bottom Layer w0.381: D101.2@232.45,107.4 239.95,107.4 243.15,110.6 D102.4@243.8,110.6
NetD102_2: D102.2 D103.4 | length 12.7
  Bottom Layer w0.381: D102.2@251.5,107.4 259,107.4 262.2,110.6 D103.4@262.85,110.6
NetD103_2: D103.2 D104.4 | length 12.7
  Bottom Layer w0.381: D103.2@270.55,107.4 278.05,107.4 281.25,110.6 D104.4@281.9,110.6
NetD104_2: D104.2 D105.4 | length 12.7
  Bottom Layer w0.381: D104.2@289.6,107.4 297.1,107.4 300.3,110.6 D105.4@300.95,110.6
NetD105_2: D105.2 D106.4 | length 28.1
  Bottom Layer w0.381: D106.4@308.65,88.35 312.385,88.35 314.3,90.265 314.3,105.5 312.4,107.4 D105.2@308.65,107.4
NetD106_2: D106.2 D107.4 | length 22.2
  Bottom Layer w0.381: D107.4@280.075,88.35 280.725,88.35 283.925,91.55 D106.2@300.95,91.55
NetD107_2: D107.2 D108.4 | length 22.2
  Bottom Layer w0.381: D108.4@251.5,88.35 252.15,88.35 255.35,91.55 D107.2@272.375,91.55
NetD108_2: D108.2 D109.4 | length 12.7
  Bottom Layer w0.381: D109.4@232.45,88.35 233.1,88.35 236.3,91.55 D108.2@243.8,91.55
NetD109_2: D109.2 D110.4 | length 12.7
  Bottom Layer w0.381: D110.4@213.4,88.35 214.05,88.35 217.25,91.55 D109.2@224.75,91.55
NetD110_2: D110.2 D111.4 | length 12.7
  Bottom Layer w0.381: D111.4@194.35,88.35 195,88.35 198.2,91.55 D110.2@205.7,91.55
NetD111_2: D111.2 D112.4 | length 12.7
  Bottom Layer w0.381: D112.4@175.3,88.35 175.95,88.35 179.15,91.55 D111.2@186.65,91.55
NetD112_2: D112.2 D113.4 | length 12.7
  Bottom Layer w0.381: D113.4@156.25,88.35 156.9,88.35 160.1,91.55 D112.2@167.6,91.55
NetD113_2: D113.2 D114.4 | length 12.7
  Bottom Layer w0.381: D114.4@137.2,88.35 137.85,88.35 141.05,91.55 D113.2@148.55,91.55
NetD114_2: D114.2 D115.4 | length 12.7
  Bottom Layer w0.381: D115.4@118.15,88.35 118.8,88.35 122,91.55 D114.2@129.5,91.55
NetD115_2: D115.2 D116.4 | length 12.7
  Bottom Layer w0.381: D116.4@99.1,88.35 99.75,88.35 102.95,91.55 D115.2@110.45,91.55
NetD116_2: D116.2 D117.4 | length 12.7
  Bottom Layer w0.381: D117.4@80.05,88.35 80.7,88.35 83.9,91.55 D116.2@91.4,91.55
NetD117_2: D117.2 D118.4 | length 12.7
  Bottom Layer w0.381: D118.4@61,88.35 61.65,88.35 64.85,91.55 D117.2@72.35,91.55
NetD118_2: D118.2 D119.4 | length 12.7
  Bottom Layer w0.381: D119.4@41.95,88.35 42.6,88.35 45.8,91.55 D118.2@53.3,91.55
NetD119_2: D119.2 D120.4 | length 12.7
  Bottom Layer w0.381: D120.4@22.9,88.35 23.55,88.35 26.75,91.55 D119.2@34.25,91.55
NetD120_2: D120.2 D121.4 | length 33
  Bottom Layer w0.381: D120.2@15.2,91.55 15.15,91.5 10,91.5 9.4,90.9 9.4,75.9 12.8,72.5 D121.4@19.963,72.5
NetD121_2: D121.2 D122.4 | length 17.4
  Bottom Layer w0.381: D121.2@27.662,69.3 39.925,69.3 43.125,72.5 D122.4@43.775,72.5
NetD122_2: D122.2 D123.4 | length 12.7
  Bottom Layer w0.381: D122.2@51.475,69.3 58.975,69.3 62.175,72.5 D123.4@62.825,72.5
NetD123_2: D123.2 D124.4 | length 12.7
  Bottom Layer w0.381: D123.2@70.525,69.3 78.025,69.3 81.225,72.5 D124.4@81.875,72.5
NetD124_2: D124.2 D125.4 | length 12.7
  Bottom Layer w0.381: D124.2@89.575,69.3 97.075,69.3 100.275,72.5 D125.4@100.925,72.5
NetD125_2: D125.2 D126.4 | length 12.7
  Bottom Layer w0.381: D125.2@108.625,69.3 116.125,69.3 119.325,72.5 D126.4@119.975,72.5
NetD126_2: D126.2 D127.4 | length 12.7
  Bottom Layer w0.381: D126.2@127.675,69.3 135.175,69.3 138.375,72.5 D127.4@139.025,72.5
NetD127_2: D127.2 D128.4 | length 12.7
  Bottom Layer w0.381: D127.2@146.725,69.3 154.225,69.3 157.425,72.5 D128.4@158.075,72.5
NetD128_2: D128.2 D129.4 | length 12.7
  Bottom Layer w0.381: D128.2@165.775,69.3 173.275,69.3 176.475,72.5 D129.4@177.125,72.5
NetD129_2: D129.2 D130.4 | length 12.7
  Bottom Layer w0.381: D129.2@184.825,69.3 192.325,69.3 195.525,72.5 D130.4@196.175,72.5
NetD130_2: D130.2 D131.4 | length 12.7
  Bottom Layer w0.381: D130.2@203.875,69.3 211.375,69.3 214.575,72.5 D131.4@215.225,72.5
NetD131_2: D131.2 D132.4 | length 12.7
  Bottom Layer w0.381: D131.2@222.925,69.3 230.425,69.3 233.625,72.5 D132.4@234.275,72.5
NetD132_2: D132.2 D133.4 | length 12.7
  Bottom Layer w0.381: D132.2@241.975,69.3 249.475,69.3 252.675,72.5 D133.4@253.325,72.5
NetD133_2: D133.2 D134.4 | length 17.4
  Bottom Layer w0.381: D133.2@261.025,69.3 273.288,69.3 276.488,72.5 D134.4@277.138,72.5
NetD134_2: D134.2 D135.4 | length 17.4
  Bottom Layer w0.381: D134.2@284.838,69.3 297.1,69.3 300.3,72.5 D135.4@300.95,72.5
NetD135_2: D135.2 D136.4 | length 28.2
  Bottom Layer w0.381: D136.4@308.65,50.25 312.5,50.25 314.3,52.05 314.3,67.5 312.5,69.3 D135.2@308.65,69.3
NetD136_2: D136.2 D137.4 | length 24.6
  Bottom Layer w0.381: D137.4@277.694,50.25 278.344,50.25 281.544,53.45 D136.2@300.95,53.45
NetD137_2: D137.2 D138.4 | length 24.6
  Bottom Layer w0.381: D138.4@246.738,50.25 247.388,50.25 250.588,53.45 D137.2@269.994,53.45
NetD138_2: D138.2 D139.4 | length 12.7
  Bottom Layer w0.381: D139.4@227.688,50.25 228.338,50.25 231.538,53.45 D138.2@239.038,53.45
NetD139_2: D139.2 D140.4 | length 12.7
  Bottom Layer w0.381: D140.4@208.638,50.25 209.288,50.25 212.488,53.45 D139.2@219.988,53.45
NetD140_2: D140.2 D141.4 | length 12.7
  Bottom Layer w0.381: D141.4@189.588,50.25 190.238,50.25 193.438,53.45 D140.2@200.938,53.45
NetD141_2: D141.2 D142.4 | length 12.7
  Bottom Layer w0.381: D142.4@170.538,50.25 171.188,50.25 174.388,53.45 D141.2@181.888,53.45